# Altium PCB OneBox.PcbDoc (part 7 of 13) (continued)
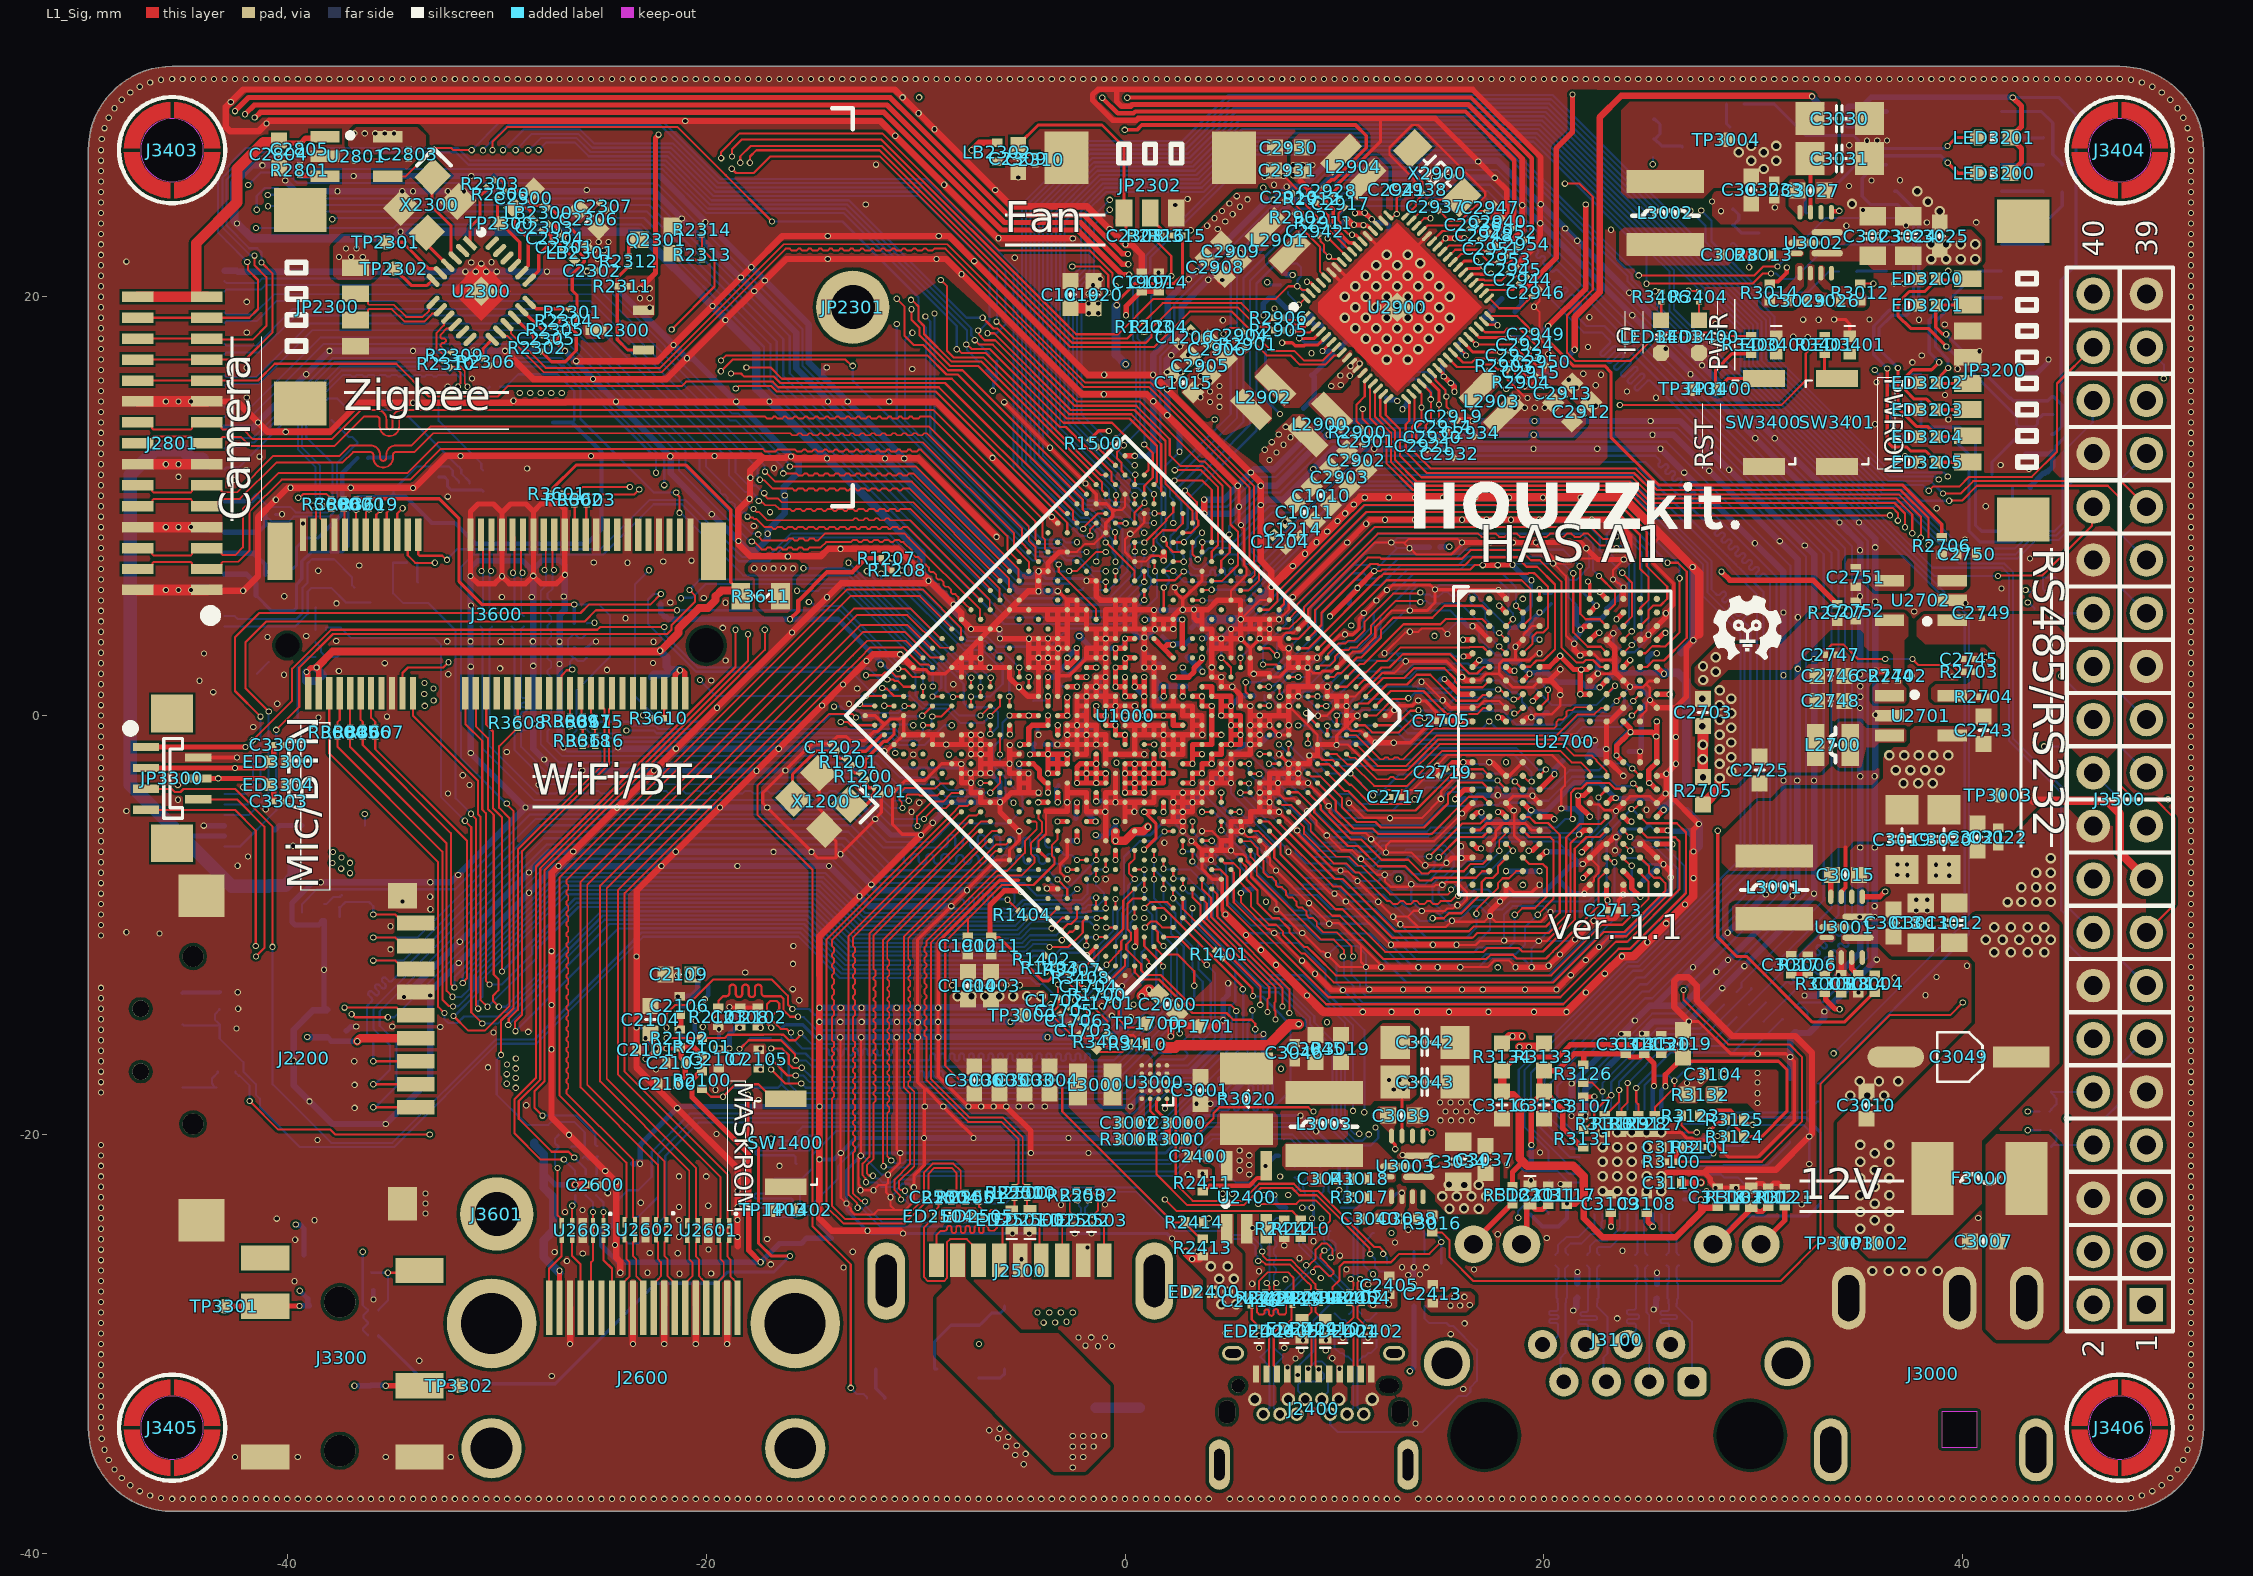
[diagram p0: L1_Sig view]
## Nets (pads, with @x,y where several pads share a name; then routed paths per layer and width w, separated by ;. In a path a pad name is that pad's centre, name@x,y a point inside that pad or via, vN(x,y) a via of type N, cw(c..) or ccw(c..) an arc to the next point about the centre after c; other vN are vias at no path point) (continued)
  other v1: -45.5,-37.4 -45,-37.4 -44.5,-37.4 -44,-37.4 -43.5,-37.4 -43,-37.4 -42.5,-37.4 -42,-37.4 -41.5,-37.4 -41,-37.4 -40.5,-37.4 -40,-37.4 -39.5,-37.4 -39,-37.4 -38.5,-37.4 -38,-37.4 -37.5,-37.4 -37,-37.4 -36.5,-37.4 -36,-37.4 -35.5,-37.4 -35,-37.4 -34.5,-37.4 -34,-37.4 -33.5,-37.4 -33,-37.4 -32.5,-37.4 -32,-37.4 -31.5,-37.4 -31,-37.4 -30.5,-37.4 -30,-37.4 -29.5,-37.4 -29,-37.4 -28.5,-37.4 -28,-37.4 -27.5,-37.4 -27,-37.4 -26.5,-37.4 -26,-37.4 -25.5,-37.4 -25,-37.4 -24.5,-37.4 -24,-37.4 -23.5,-37.4 -23,-37.4 -22.5,-37.4 -22,-37.4 -21.5,-37.4 -21,-37.4 -20.5,-37.4 -20,-37.4 -19.5,-37.4 -19,-37.4 -18.5,-37.4 -18,-37.4 -17.5,-37.4 -17,-37.4 -16.5,-37.4 -16,-37.4 -15.5,-37.4 -15,-37.4 -14.5,-37.4 -14,-37.4 -13.5,-37.4 -13,-37.4 -12.5,-37.4 -12,-37.4 -11.5,-37.4 -11,-37.4 -10.5,-37.4 -10,-37.4 -9.5,-37.4 -9,-37.4 -8.5,-37.4 -8,-37.4 -7.5,-37.4 -7,-37.4 -6.5,-37.4 -6,-37.4 -5.5,-37.4 -5,-37.4 -4.5,-37.4 -4,-37.4 -3.5,-37.4 -3,-37.4 -2.5,-37.4 -2,-37.4 -1.5,-37.4 -1,-37.4 -0.5,-37.4 0,-37.4 0.5,-37.4 1,-37.4 1.5,-37.4 2,-37.4 2.5,-37.4 3,-37.4 3.5,-37.4 4,-37.4 5,-37.4 5.5,-37.4 6,-37.4 6.5,-37.4 7,-37.4 7.5,-37.4 8,-37.4 8.5,-37.4 9,-37.4 9.5,-37.4 10,-37.4 10.5,-37.4 11,-37.4 11.5,-37.4 12,-37.4 12.5,-37.4 13,-37.4 14,-37.4 14.5,-37.4 15,-37.4 15.5,-37.4 16,-37.4 16.5,-37.4 17,-37.4 17.5,-37.4 18,-37.4 18.5,-37.4 19,-37.4 19.5,-37.4 20,-37.4 20.5,-37.4 21,-37.4 21.5,-37.4 22,-37.4 22.5,-37.4 23,-37.4 23.5,-37.4 24,-37.4 24.5,-37.4 25,-37.4 25.5,-37.4 26,-37.4 26.5,-37.4 27,-37.4 27.5,-37.4 28,-37.4 28.5,-37.4 29,-37.4 29.5,-37.4 30,-37.4 30.5,-37.4 31,-37.4 31.5,-37.4 32,-37.4 32.5,-37.4 33,-37.4 33.5,-37.4 34,-37.4 34.5,-37.4 35,-37.4 35.5,-37.4 36,-37.4 36.5,-37.4 37,-37.4 37.5,-37.4 38,-37.4 38.5,-37.4 39,-37.4 39.5,-37.4 40,-37.4 40.5,-37.4 41,-37.4 41.5,-37.4 42,-37.4 42.5,-37.4 43,-37.4 43.5,-37.4 44,-37.4 44.5,-37.4 45,-37.4 45.5,-37.4 46,-37.4 46.5,-37.4 47,-37.4 47.5,-37.4 -46.032,-37.358 48.032,-37.358 -46.551,-37.234 48.551,-37.234 -47.044,-37.029 49.044,-37.029 -47.498,-36.751 49.498,-36.751 -47.904,-36.404 49.904,-36.404 -48.251,-35.998 50.251,-35.998 -4.834,-35.747 -48.529,-35.544 50.529,-35.544 -42.5,-35.4 -39.5,-35.4 -35.3,-35.4 -32.2,-35.4 -5.24,-35.306 -4.747,-35.251 -48.734,-35.051 50.734,-35.051 -5.669,-34.9 -5.173,-34.855 -48.858,-34.532 50.858,-34.532 -6.065,-34.507 -5.58,-34.448 -6.483,-34.12 -5.987,-34.047 -48.9,-34 50.9,-34 13.873,-33.801 -48.9,-33.5 50.9,-33.5 -48.9,-33 50.9,-33 -48.9,-32.5 50.9,-32.5 16.15,-32.156 -48.9,-32 50.9,-32 -27.375,-31.534 -48.9,-31.5 50.9,-31.5 -48.9,-31 50.9,-31 -33.7,-30.8 -48.9,-30.5 50.9,-30.5 9.581,-30.316 6.4,-30.19 7.6,-30.19 -1.293,-30.109 -0.625,-30.102 -1.891,-30.083 -48.9,-30 -6.975,-30 50.9,-30 8.5,-29.825 9.6,-29.825 -2.222,-29.693 -1.616,-29.688 -0.955,-29.699 10.4,-29.7 11.6,-29.7 6.4,-29.61 7.6,-29.61 15.552,-29.534 -48.9,-29.5 4.792,-29.484 50.9,-29.5 12.575,-29.2 -48.9,-29 16.213,-29.018 50.9,-29 23.503,-28.78 -48.9,-28.5 50.9,-28.5 -48.9,-28 50.9,-28 -48.9,-27.5 50.9,-27.5 11.615,-27.159 6.067,-27.125 -48.9,-27 50.9,-27 7.664,-26.919 9.351,-26.855 14.083,-26.689 -21.271,-26.654 -19.764,-26.634 -22.8,-26.6 6.397,-26.53 -48.9,-26.5 50.9,-26.5 10.571,-26.448 16.656,-26.447 -13.441,-26.354 13.228,-26.339 14.378,-26.345 -16.917,-26.203 -26.652,-26.04 -48.9,-26 50.9,-26 -4.946,-25.962 8.327,-25.911 10.264,-25.786 -25.897,-25.688 -21.357,-25.673 -22.693,-25.655 -27.238,-25.611 -13,-25.6 23.757,-25.548 -48.9,-25.5 -19.893,-25.493 50.9,-25.5 -1.8,-25.4 -24.35,-25.281 12.885,-25.162 8.997,-25.101 -48.9,-25 -17.086,-24.995 50.9,-25 20.138,-24.945 -21.3,-24.9 17.794,-24.763 13.518,-24.551 -48.9,-24.5 50.9,-24.5 6.08,-24.465 -21.304,-24.082 -48.9,-24 4,-24.005 9.382,-24.011 13.097,-23.999 50.9,-24 40.734,-23.988 -8.528,-23.79 -7.426,-23.796 -33.398,-23.778 -7.958,-23.778 -26.746,-23.699 -25.906,-23.606 -48.9,-23.5 50.9,-23.5 -21.301,-23.459 -19.9,-23.4 -3.061,-23.357 -0.958,-23.346 32.306,-23.34 -33.4,-23.3 -23.127,-23.261 -48.9,-23 50.9,-23 7.795,-22.886 4.666,-22.832 5.121,-22.827 -33.401,-22.816 -24.7,-22.8 -48.9,-22.5 50.9,-22.5 20.794,-22.365 19.386,-22.185 -48.9,-22 -21.3,-22 -20,-22 7.405,-22.008 50.9,-22 3,-21.9 3.7,-21.875 -24.818,-21.743 -48.9,-21.5 -16.5,-21.5 50.9,-21.5 18.233,-21.448 -48.9,-21 50.9,-21 13.254,-20.983 19.813,-20.858 -48.9,-20.5 50.9,-20.5 -38.564,-20.265 -19.512,-19.982 50.9,-20 50.9,-19.5 15.062,-19.327 15.562,-19.327 16.062,-19.327 16.562,-19.327 50.9,-19 15.3,-18.9 15.8,-18.9 16.3,-18.9 16.8,-18.9 -36.785,-18.729 -6.274,-18.665 -5.077,-18.661 -4.478,-18.659 0.261,-18.665 -28.594,-18.607 50.9,-18.5 15.038,-18.473 15.538,-18.473 16.038,-18.473 16.538,-18.473 -17.502,-18.353 -48.9,-18 50.9,-18 -19.554,-17.861 -36.785,-17.632 14.63,-17.569 -48.9,-17.5 50.9,-17.5 28.587,-17.117 -48.9,-17 50.9,-17 -22.4,-16.9 -30.418,-16.795 -48.9,-16.5 -36.804,-16.506 50.9,-16.5 -48.9,-16 50.9,-16 -27.385,-15.928 -17.4,-15.9 -48.9,-15.5 50.9,-15.5 -30.159,-15.134 -28.5,-15.1 -48.9,-15 50.9,-15 -34.986,-14.847 -32.698,-14.865 -9.895,-14.639 -48.9,-14.5 -19.515,-14.515 50.9,-14.5 -20.332,-14.048 -48.9,-14 -42.35,-14 50.9,-14 -15.56,-13.592 50.9,-13.5 -48.9,-13.5 38.217,-13.354 -42.369,-13.207 35.017,-13.219 -15.864,-13.061 -48.9,-13 50.9,-13 -8.254,-12.875 -7.603,-12.869 -6.969,-12.868 -6.336,-12.868 -5.017,-12.879 -5.676,-12.862 36.753,-12.516 50.9,-12.5 38.743,-12.48 -21.393,-12.402 34.061,-12.397 -18.134,-12.266 28.233,-12.23 50.9,-12 40.197,-11.945 -15.854,-11.854 35.891,-11.651 50.9,-11.5 -35.071,-11.162 -15.839,-10.999 50.9,-11 -48.9,-10.5 50.9,-10.5 28.771,-10.369 -35.077,-10.055 -48.9,-10 50.9,-10 1.842,-9.654 35.81,-9.614 -48.9,-9.5 50.9,-9.5 37.777,-9.31 38.3,-9.302 -33.169,-9.249 35.791,-9.096 -48.9,-9 50.9,-9 8.779,-8.954 -34.497,-8.876 37.782,-8.796 38.3,-8.792 -33.182,-8.648 -48.9,-8.5 32.9,-8.5 50.9,-8.5 -48.9,-8 50.9,-8 -33.176,-7.956 -0.919,-7.814 39.354,-7.647 36.867,-7.613 37.36,-7.625 38.721,-7.632 -31.841,-7.606 -48.9,-7.5 50.9,-7.5 -18.511,-7.179 -42.373,-7.165 36.877,-7.115 37.337,-7.105 38.715,-7.117 39.341,-7.114 -48.9,-7 50.9,-7 -41.879,-6.724 -48.9,-6.5 50.9,-6.5 35.1,-6.3 35.8,-6.3 -39.733,-6.216 16.043,-6.235 1.877,-6.068 -48.9,-6 50.9,-6 -48.9,-5.5 50.9,-5.5 -48.9,-5 50.9,-5 -10.2,-4.588 -0.942,-4.592 -48.9,-4.5 24.903,-4.495 50.9,-4.5 -41.032,-4.471 -9.827,-4.162 -45.217,-4.017 -48.9,-4 50.9,-4 -32.326,-3.723 -48.9,-3.5 50.9,-3.5 -42.106,-3.42 -45.235,-3.317 -31.301,-3.311 -27.992,-3.297 32.9,-3.1 -48.9,-3 50.9,-3 23.792,-2.876 -31.627,-2.851 -6.896,-2.76 -48.9,-2.5 50.9,-2.5 -48.9,-2 50.9,-2 -10.117,-1.852 -29.522,-1.736 -48.9,-1.5 50.9,-1.5 -8.536,-1.375 -48.9,-1 50.9,-1 3.683,-0.915 -41.627,-0.539 -48.9,-0.5 50.9,-0.5 -28.229,-0.383 -38.506,-0.089 -35.243,-0.049 -48.9,0 50.9,0 -48.9,0.5 50.9,0.5 -40.484,0.568 -13.185,0.562 35.1,0.9 -48.9,1 50.9,1 -12.789,1.294 -48.9,1.5 -8.204,1.5 50.9,1.5 -19.762,1.679 39.496,1.868 37.561,1.905 -40.154,1.955 -32.316,1.971 -48.9,2 50.9,2 -37.539,2.13 -24.735,2.184 -29.838,2.257 4.144,2.302 -27.003,2.46 -48.9,2.5 50.9,2.5 -35.35,2.507 -22.539,2.514 -19.071,2.635 41.095,2.789 -43.975,2.964 -48.9,3 50.9,3 -48.9,3.5 50.9,3.5 -29.805,3.526 -27.005,3.531 -22.511,3.529 -37.663,3.564 -32.365,3.544 -28.275,3.544 -39.1,3.8 -48.9,4 50.9,4 -19.209,4.189 -48.9,4.5 50.9,4.5 -23.848,4.646 37.685,4.966 -48.9,5 50.9,5 -31.235,5.257 40.123,5.369 -19.076,5.386 -21.713,5.401 -48.9,5.5 50.9,5.5 -20.119,5.612 -14.23,5.65 -29.757,5.66 -28.33,5.668 -40.15,5.7 -26.799,5.684 -48.9,6 -45.8,6 -45.2,6 -44.6,6 50.9,6 41.847,6.073 -48.9,6.5 50.9,6.5 -48.9,7 50.9,7 -23.754,7.297 -25.366,7.312 -22.046,7.363 -20.7,7.4 -48.9,7.5 50.9,7.5 43.206,7.506 -13.59,7.962 -48.9,8 50.9,8 40.105,8.405 -48.9,8.5 50.9,8.5 9.658,8.786 -48.9,9 -45.8,9 -45.2,9 -44.6,9 50.9,9 -17.729,9.054 -39.248,9.17 -48.9,9.5 50.9,9.5 -16.957,9.715 38.758,9.902 -48.9,10 41.1,10 50.9,10 11.445,10.416 -48.9,10.5 50.9,10.5 -33.997,10.869 -48.9,11 50.9,11 -42.539,11.248 -45.2,11.4 -48.9,11.5 50.9,11.5 27.895,11.694 -41.966,11.731 43.16,11.786 -28.55,11.8 -16.762,11.806 37.969,11.949 41.808,11.968 -48.9,12 -45.8,12 -45.2,12 50.9,12 -48.9,12.5 50.9,12.5 -48.9,13 50.9,13 36.784,13.188 -48.9,13.5 50.9,13.5 35.808,13.916 -48.9,14 50.9,14 4.28,14.134 39.311,14.139 34.509,14.211 -48.9,14.5 50.9,14.5 22.474,14.795 -48.9,15 -45.8,15 -45.2,15 -44.6,15 50.9,15 22.099,15.157 -41.939,15.193 25.349,15.18 39.148,15.306 23.966,15.476 -48.9,15.5 50.9,15.5 21.551,15.672 22.471,15.778 35.878,15.923 -48.9,16 50.9,16 2.341,16.025 21.182,16.032 -31.187,16.1 22.73,16.272 27,16.3 21.881,16.32 2.649,16.397 -48.9,16.5 50.9,16.5 -10.16,16.548 39.755,16.565 37.593,16.867 -48.9,17 50.9,17 38.044,17.197 3.002,17.228 40.8,17.4 -48.9,17.5 50.9,17.5 22.1,17.6 -48.9,18 50.9,18 32.595,18.069 31.904,18.09 -48.9,18.5 50.9,18.5 39.142,18.679 28.2,18.7 4.669,18.882 32.376,18.906 33.116,18.899 37.913,18.9 35.543,18.913 -48.9,19 50.9,19 22.171,19.021 -48.9,19.5 50.9,19.5 -48.9,20 50.9,20 -1.735,20.146 -1.269,20.158 -48.9,20.5 50.9,20.5 -1.537,20.553 36.715,20.63 37.202,20.636 -1.181,20.843 -48.9,21 50.9,21 39.307,21.235 -48.9,21.5 50.9,21.5 -30.743,21.582 -31.22,21.635 -30.255,21.647 -5.263,21.864 -48.9,22 50.9,22 -48.9,22.5 50.9,22.5 -14.199,22.902 -48.9,23 50.9,23 23.2,23.2 34.441,23.386 37.29,23.404 -48.9,23.5 50.9,23.5 38.284,23.545 40.643,23.551 -48.9,24 50.9,24 28.45,24.087 35.237,24.137 31.026,24.263 2.4,24.383 -12.381,24.404 -48.9,24.5 50.9,24.5 28.028,24.549 2.987,24.67 -48.9,25 50.9,25 -37.609,25.038 34.568,25.283 7.109,25.345 -48.9,25.5 50.9,25.5 35.643,25.552 37.001,25.565 -5.1,25.7 15.415,25.708 6.656,25.732 7.113,25.803 -48.9,26 50.9,26 -11.896,26.309 -48.9,26.5 -36.8,26.5 50.9,26.5 34.763,26.667 -48.9,27 50.9,27 34.575,27.237 35.43,27.45 35.913,27.456 36.385,27.461 -48.858,27.532 50.858,27.532 -48.734,28.051 50.734,28.051 -48.529,28.544 50.529,28.544 -48.251,28.998 50.251,28.998 -47.904,29.404 49.904,29.404 -47.498,29.751 49.498,29.751 -47.044,30.029 49.044,30.029 -46.551,30.234 48.551,30.234 -46.032,30.358 48.032,30.358 -45.5,30.4 -45,30.4 -44.5,30.4 -44,30.4 -43.5,30.4 -43,30.4 -42.5,30.4 -42,30.4 -41.5,30.4 -41,30.4 -40.5,30.4 -40,30.4 -39.5,30.4 -39,30.4 -38.5,30.4 -38,30.4 -37.5,30.4 -37,30.4 -36.5,30.4 -36,30.4 -35.5,30.4 -35,30.4 -34.5,30.4 -34,30.4 -33.5,30.4 -33,30.4 -32.5,30.4 -32,30.4 -31.5,30.4 -31,30.4 -30.5,30.4 -30,30.4 -29.5,30.4 -29,30.4 -28.5,30.4 -28,30.4 -27.5,30.4 -27,30.4 -26.5,30.4 -26,30.4 -25.5,30.4 -25,30.4 -24.5,30.4 -24,30.4 -23.5,30.4 -23,30.4 -22.5,30.4 -22,30.4 -21.5,30.4 -21,30.4 -20.5,30.4 -20,30.4 -19.5,30.4 -19,30.4 -18.5,30.4 -18,30.4 -17.5,30.4 -17,30.4 -16.5,30.4 -16,30.4 -15.5,30.4 -15,30.4 -14.5,30.4 -14,30.4 -13.5,30.4 -13,30.4 -12.5,30.4 -12,30.4 -11.5,30.4 -11,30.4 -10.5,30.4 -10,30.4 -9.5,30.4 -9,30.4 -8.5,30.4 -8,30.4 -7.5,30.4 -7,30.4 -6.5,30.4 -6,30.4 -5.5,30.4 -5,30.4 -4.5,30.4 -4,30.4 -3.5,30.4 -3,30.4 -2.5,30.4 -2,30.4 -1.5,30.4 -1,30.4 0,30.4 0.5,30.4 1.5,30.4 2,30.4 2.5,30.4 3,30.4 3.5,30.4 4,30.4 4.5,30.4 5,30.4 5.5,30.4 6,30.4 6.5,30.4 7,30.4 7.5,30.4 8,30.4 8.5,30.4 9,30.4 9.5,30.4 10,30.4 10.5,30.4 11,30.4 11.5,30.4 12,30.4 12.5,30.4 13,30.4 13.5,30.4 14,30.4 14.5,30.4 15,30.4 15.5,30.4 16,30.4 16.5,30.4 17,30.4 17.5,30.4 18,30.4 18.5,30.4 19,30.4 19.5,30.4 20,30.4 20.5,30.4 21,30.4 21.5,30.4 22,30.4 22.5,30.4 23,30.4 23.5,30.4 24,30.4 24.5,30.4 25,30.4 25.5,30.4 26,30.4 26.5,30.4 27,30.4 27.5,30.4 28,30.4 28.5,30.4 29,30.4 29.5,30.4 30,30.4 30.5,30.4 31,30.4 31.5,30.4 32,30.4 32.5,30.4 33,30.4 33.5,30.4 34,30.4 34.5,30.4 35,30.4 35.5,30.4 36,30.4 36.5,30.4 37,30.4 37.5,30.4 38,30.4 38.5,30.4 39,30.4 39.5,30.4 40,30.4 40.5,30.4 41,30.4 41.5,30.4 42,30.4 42.5,30.4 43,30.4 43.5,30.4 44,30.4 44.5,30.4 45,30.4 45.5,30.4 46,30.4 46.5,30.4 47,30.4 47.5,30.4
  other v2: 35.684,-26.519 36.463,-26.519 37.242,-26.519 38.021,-26.519 38.8,-26.519 22.8,-22.7 23.5,-22.7 24.2,-22.7 24.9,-22.7 25.6,-22.7 22.8,-22 23.5,-22 24.2,-22 24.9,-22 22.8,-21.3 23.5,-21.3 24.2,-21.3 24.9,-21.3 25.6,-21.3 22.8,-20.6 23.5,-20.6 24.2,-20.6 24.9,-20.6 25.6,-20.6 22.8,-19.9 23.5,-19.9 24.2,-19.9 24.9,-19.9 34.632,-18.142 35.436,-18.142 36.24,-18.142 35.081,-17.454 35.999,-17.454 36.917,-17.454 42.139,-8.905 42.8,-8.9 43.5,-8.9 44.2,-8.9 42.8,-8.2 43.5,-8.2 44.2,-8.2 43.5,-7.5 44.2,-7.5 44.2,-6.8 12.5,17 13.5,17 12,17.5 13,17.5 14,17.5 11.5,18 12.5,18 13.5,18 14.5,18 11,18.5 12,18.5 13,18.5 14,18.5 15,18.5 10.5,19 11.5,19 12.5,19 13.5,19 14.5,19 15.5,19 11,19.5 12,19.5 13,19.5 14,19.5 15,19.5 10.5,20 11.5,20 12.5,20 13.5,20 14.5,20 15.5,20 11,20.5 12,20.5 13,20.5 14,20.5 15,20.5 11.5,21 12.5,21 13.5,21 14.5,21 12,21.5 13,21.5 14.1,21.6 12.5,22 13.5,22 38.898,24.082 34.71,24.431 38.334,24.537 37.83,25.039
GPIO0_C4: J3500.12 U1000.AD21 | length 116.6
  L1_Sig w0.102: U1000.AD21@-7.354,1.379 -7.351,1.382 -7.351,1.809 v1(-7.347,1.812)
  L4_Sig w0.102: v1(-13.2,7.3) -12.306,8.194 -12.306,15.526 -8.77,19.063 -8.77,19.243 -2.038,25.974 0.973,25.974 3.443,28.444 17.768,28.444 18.624,27.588 25.562,27.588 29.233,23.916 31.621,23.916 34.337,21.2 37.487,21.2 37.984,20.703 39.608,20.703 44.287,16.024 44.287,1.827 44.814,1.3 44.814,-14.014 46.181,-15.381 J3500.12@46.23,-15.43
  L6_Sig w0.102: v1(-13.2,7.3) -12.659,6.759 -12.332,6.432 -8,2.1 -7.653,2.1 -7.365,1.812 v1(-7.347,1.812)
GPIO0_C7: J3500.32 U1000.AE3 | length 77.3
  L1_Sig w0.102: U1000.AE3@0.46,10.112 v1@0.459,10.528 ; v1(41.683,6.666) 41.698,6.682 43.782,6.682 46.177,9.077 46.177,9.917 J3500.32@46.23,9.97
  L6_Sig w0.102: v1(0.459,10.528) 0.416,10.528 -2.897,13.841 -2.897,20.879 -2.89,20.886 -2.89,23.584 -1.068,25.406 3.582,25.406 5.779,27.603 19.584,27.603 25.103,22.084 26,21.187 26,19.309 26.622,18.686 26.625,18.686 38.645,6.666 v1(41.683,6.666)
GPIO1_A0: J3500.3 JP3300.6 U1000.D18 | length 150
  L1_Sig w0.102: JP3300.6@-44.25,-4 -42.4,-4 -41.098,-5.302 -41.098,-11.098 v1(-41.5,-11.5) ; v1(3.214,-6.963) 3.216,-6.961 3.216,-6.436 U1000.D18@3.217,-6.435
  L4_Sig w0.102: v1(-41.5,-11.5) -41.5,-14.1 -38.1,-17.5 -38.1,-25.179 -31.079,-32.2 -14.213,-32.2 -12.813,-30.8 2.8,-30.8 4.697,-28.903 5.546,-28.903 6.779,-27.67 10.27,-27.67 11.402,-28.802 13.198,-28.802 14.6,-27.4 15.9,-27.4 ; v1(10.879,-18.872) 9.103,-20.648 9.103,-22.936 10.176,-24.01 12.51,-24.01 15.9,-27.4 ; J3500.3@48.77,-25.59 47.58,-24.4 45.4,-24.4 43.9,-25.9 34.1,-25.9 32.1,-27.9 17.213,-27.9 16.713,-27.4 15.9,-27.4
  L6_Sig w0.102: v1(3.214,-6.963) 3.214,-6.991 4.205,-7.982 4.205,-9.667 4.318,-9.78 4.318,-9.807 6.91,-12.398 8.498,-12.398 10.879,-14.779 v1(10.879,-18.872)
GPIO1_A1: J3500.5 JP3300.7 U1000.E18 | length 165.1
  L1_Sig w0.102: JP3300.7@-46.75,-4.5 -42.5,-4.5 -41.505,-5.495 v1(-41.505,-11) ; v1(2.753,-6.491) 2.755,-6.488 2.755,-5.978 U1000.E18@2.758,-5.975
  L4_Sig w0.102: v1(-41.505,-11) -41.1,-11.405 -41.1,-14.2 -37.897,-17.403 -37.897,-25.095 -30.995,-31.997 -14.297,-31.997 -12.897,-30.597 2.7,-30.597 4.597,-28.7 5.462,-28.7 6.695,-27.466 10.354,-27.466 11.487,-28.599 13.113,-28.599 13.5,-28.213 13.5,-27.8 12.898,-27.198 12.898,-25.698 12.289,-25.089 10.969,-25.089 8.9,-23.021 8.9,-20.55 10.407,-19.044 10.407,-18.707 10.571,-18.542 11.246,-18.542 11.42,-18.716 11.42,-18.969 11.355,-18.969 11.122,-19.203 10.836,-19.203 9.306,-20.732 9.306,-22.822 10.285,-23.8 12.055,-23.8 12.321,-23.534 13.099,-23.534 13.887,-24.322 13.887,-25.1 15.984,-27.197 16.797,-27.197 17.297,-27.697 32.016,-27.697 34.016,-25.697 43.703,-25.697 45.3,-24.1 47.72,-24.1 J3500.5@48.77,-23.05
  L6_Sig w0.102: v1(2.753,-6.491) 3.21,-6.491 4.408,-7.689 4.408,-9.582 4.7,-9.874 5.675,-10.849 6.623,-10.849 6.626,-10.852 8.252,-10.852 9.573,-12.173 9.573,-13.173 11.424,-15.024 v1(11.424,-18.936)
GPIO2_D3: J3500.31 U1000.AC7 | length 83.7
  L1_Sig w0.102: U1000.AC7@-0.46,7.354 v1(-0.456,7.35) ; v1(39.052,10.605) 39.905,10.605 40.497,11.197 43.384,11.197 43.387,11.2 47.54,11.2 J3500.31@48.77,9.97
  L6_Sig w0.102: v1(-0.456,7.35) -0.456,7.656 -0.589,7.789 -0.589,8.395 -0.597,8.403 -0.9,8.706 -0.9,8.875 -1.675,9.65 -2.024,9.65 -4.522,12.148 -4.522,24.251 -1.742,27.032 2.909,27.032 5.105,29.229 20.258,29.229 30.597,18.89 30.597,17.033 36.424,11.206 38.451,11.206 v1(39.052,10.605)
GPIO2_D4: J3500.11 U1000.AA7 | length 120.3
  L1_Sig w0.102: v1(-0.927,8.266) -0.904,8.266 -0.126,7.487 0.46,6.902 U1000.AA7@0.46,6.435
  L4_Sig w0.102: v1(38.854,11.27) 42.19,7.933 42.19,5.422 43.197,4.416 43.197,-6.054 39.086,-10.165 39.086,-16.886 42.4,-20.2 44.001,-20.2 v1(44.963,-19.238)
  L6_Sig w0.102: v1(-0.927,8.266) -0.949,8.288 -0.949,8.468 -1.103,8.622 -1.103,8.791 -1.759,9.447 -2.108,9.447 -4.726,12.064 -4.726,24.335 -1.826,27.235 2.825,27.235 5.021,29.432 20.342,29.432 30.18,19.594 30.8,18.974 30.8,17.117 35.2,12.717 36.508,11.409 38.695,11.409 38.834,11.27 v1(38.854,11.27) ; v1(44.963,-19.238) 46.762,-19.238 47.528,-18.472 47.528,-16.672 J3500.11@48.77,-15.43
GPIO2_D5: J3500.29 U1000.AC3 | length 82
  L1_Sig w0.102: v1(1.379,9.192) 1.398,9.192 U1000.AC3@1.4,9.19
  L6_Sig w0.102: v1(1.379,9.192) 0.973,9.192 -0.026,10.192 -0.565,10.192 -0.759,10.385 -0.759,10.808 -3.506,13.555 -3.506,23.83 -1.321,26.016 3.33,26.016 5.526,28.213 19.837,28.213 29.581,18.469 29.581,16.612 36.003,10.19 37.198,10.19 39.891,7.497 42.605,7.497 43.502,8.394 44.594,8.394 44.9,8.7 47.5,8.7 J3500.29@48.77,7.43
GPIO2_D6: J3500.38 U1000.AD6 | length 83.8
  L1_Sig w0.102: v1(-0.482,8.755) -0.471,8.744 -0.471,8.284 U1000.AD6@-0.46,8.273 ; v1(38.372,10.736) 38.571,10.935 39.835,10.935 40.3,11.4 43.3,11.4 44.5,12.6 44.5,15.86 J3500.38@46.23,17.59
  L6_Sig w0.102: v1(-0.482,8.755) -0.492,8.755 -1.591,9.854 -1.94,9.854 -4.319,12.233 -4.319,24.167 -1.658,26.829 2.993,26.829 5.19,29.025 20.174,29.025 30.394,18.805 30.394,16.948 36.34,11.003 38.106,11.003 v1(38.372,10.736) ; J3500.38@46.12,17.7 J3500.38@46.23,17.59
GPIO2_D7: J3500.35 U1000.AH5 | length 90.8
  L1_Sig w0.102: v1(-10.9,19.9) -10.526,19.526 -10.526,19.263 -10.524,19.262 -10.524,18.124 -10.1,17.7 -9.648,17.7 -8.44,16.492 -7.759,16.492 -6.647,15.38 -6.647,15.378 -5.908,14.638 -5.905,14.638 U1000.AH5@-1.838,10.571
  L4_Sig w0.102: v1(-10.9,19.9) -10.9,22.621 -5.921,27.6 0.3,27.6 2.769,30.069 18.441,30.069 19.297,29.214 42.086,29.214 42.568,28.732 49.9,21.4 49.9,17.1 48.802,16.002 48.802,15.082 J3500.35@48.77,15.05
GPIO3_A0: J3500.40 U1000.AH4 | length 81.5
  L1_Sig w0.102: v1(-10.195,19.4) -10.195,18.895 -9.81,18.509 -9.81,18.149 -8.358,16.697 -7.021,16.697 -1.379,11.055 U1000.AH4@-1.379,11.031
  L4_Sig w0.102: v1(-10.195,19.4) -10.173,19.4 -9.803,19.77 -9.803,22.856 -5.669,26.99 0.553,26.99 3.022,29.46 18.189,29.46 19.044,28.604 41.834,28.604 42.138,28.3 46.23,24.208 J3500.40@46.23,20.13
GPIO3_A1: J3500.15 U1000.AB8 | length 105.6
  L1_Sig w0.102: U1000.AB8@-0.46,6.435 -0.457,6.438 -0.457,6.895 v1(-0.454,6.898) ; v1(39.347,10.262) 39.36,10.274 39.974,10.274 40.673,10.973 46.927,10.973 47.495,10.405 47.495,-3.295 48.2,-4 49.2,-4 50.1,-4.9 50.1,-7 50.1,-9.02 J3500.15@48.77,-10.35
  L6_Sig w0.102: v1(-0.454,6.898) -0.441,6.898 -0.126,7.214 -0.126,8.866 -1.317,10.057 -1.856,10.057 -4.116,12.317 -4.116,24.083 -1.573,26.626 3.077,26.626 5.274,28.822 20.089,28.822 30.19,18.721 30.19,16.864 36.255,10.799 37.45,10.799 37.987,10.262 v1(39.347,10.262)
GPIO3_A2: J3500.36 U1000.AE5 | length 84.6
  L1_Sig w0.102: U1000.AE5@-0.46,9.192 -0.453,9.186 0.021,9.186 v1(0.028,9.18)
  L6_Sig w0.102: v1(0.028,9.18) 0.028,9.227 -0.219,9.474 -0.447,9.474 -1.232,10.26 -1.772,10.26 -3.913,12.401 -3.913,23.999 -1.489,26.422 3.161,26.422 5.358,28.619 20.005,28.619 29.987,18.637 29.987,16.78 36.171,10.596 37.366,10.596 39.991,7.971 42.488,7.971 42.716,8.2 42.734,8.2 43.334,8.8 44.382,8.8 44.755,9.174 44.755,12.555 46.208,14.008 46.208,15.028 J3500.36@46.23,15.05
GPIO3_A3: J3500.18 U1000.AG4 | length 111.7
  L1_Sig w0.102: v1(-10.219,19.852) -10.182,19.852 -10.06,19.73 -10.058,19.73 -9.864,19.536 -9.864,18.872 -9.597,18.605 -9.597,18.224 -8.274,16.9 -6.856,16.9 -1.101,11.146 -1.101,10.753 U1000.AG4@-0.919,10.571
  L4_Sig w0.102: v1(-10.219,19.852) -10.242,19.875 -10.242,22.704 -5.753,27.194 0.468,27.194 2.938,29.663 18.273,29.663 19.129,28.807 41.918,28.807 42.226,28.5 47.497,23.228 47.497,-6.543 J3500.18@46.23,-7.81
GPIO3_A4: J3500.16 U1000.AF4 | length 91.3
  L1_Sig w0.102: U1000.AF4@-0.46,10.112 -0.444,10.127 -0.444,10.506 v1(-0.429,10.522)
  L4_Sig w0.102: J3500.16@45.958,-10.078 J3500.16@46.23,-10.35
  L6_Sig w0.102: v1(-0.429,10.522) -0.429,10.765 -3.303,13.639 -3.303,21.048 -3.297,21.054 -3.297,23.753 -1.237,25.813 3.414,25.813 5.61,28.009 19.753,28.009 29.378,18.385 29.378,16.528 35.919,9.987 37.113,9.987 39.838,7.262 41.978,7.262 42.403,6.837 42.403,-1.103 44.903,-3.603 44.903,-9.023 J3500.16@46.23,-10.35
GPIO3_A5: J3500.7 U1000.AH3 | length 119.9
  L1_Sig w0.102: v1(-8.8,20.8) -8.497,20.497 -8.497,17.411 -8.189,17.103 -6.772,17.103 -1.159,11.491 U1000.AH3@-0.919,11.491
  L4_Sig w0.102: v1(-8.8,20.8) -3.219,26.381 0.805,26.381 3.274,28.85 17.936,28.85 18.792,27.994 41.581,27.994 44.694,24.882 44.694,2.606 45.018,2.282 45.018,-13.518 45.7,-14.2 47,-14.2 47.6,-14.8 47.6,-19.34 J3500.7@48.77,-20.51
GPIO3_C3: J3500.33 U1000.AC4 | length 84.4
  L4_Sig w0.102: J3500.33@48.71,12.51 J3500.33@48.77,12.51
  L6_Sig w0.102: v1(0.919,8.733) 0.919,8.755 -0.314,9.988 -0.65,9.988 -0.962,10.301 -0.962,10.637 -3.71,13.384 -3.71,23.915 -1.405,26.219 3.246,26.219 5.442,28.416 19.921,28.416 29.784,18.553 29.784,16.696 36.087,10.393 37.282,10.393 39.975,7.7 42.521,7.7 43.418,8.597 44.466,8.597 44.966,9.097 44.966,10.866 45.33,11.23 47.49,11.23 J3500.33@48.77,12.51
GPIO3_C5: J3500.13 U1000.AC2 | length 96.9
  L1_Sig w0.102: v1@1.409,9.655 U1000.AC2@1.83,9.655 ; U1000.AC2@1.836,9.649 U1000.AC2@1.838,9.652
  L6_Sig w0.102: v1(1.403,9.661) 0.962,9.661 0.789,9.834 0.596,10.028 0.44,10.184 0.307,10.184 0.114,10.377 0.114,10.51 -3.1,13.724 -3.1,20.963 -3.094,20.97 -3.094,23.669 -1.153,25.61 3.498,25.61 5.695,27.806 19.669,27.806 26.2,21.275 26.203,21.272 26.203,19.415 38.559,7.059 41.894,7.059 42.2,6.753 42.2,-1.187 44.7,-3.687 44.7,-9.3 45,-9.6 45,-10.9 45.7,-11.6 47.48,-11.6 J3500.13@48.77,-12.89
GPIO4_C2: J3500.23 U1000.AF8 | length 101.7
  L4_Sig w0.102: v1(-9.1,19.2) -2.122,26.178 0.889,26.178 3.358,28.647 17.852,28.647 18.708,27.791 41.497,27.791 44.49,24.798 44.49,2.125 44.687,1.928 v1(44.687,1.894)
  L6_Sig w0.102: v1(-9.1,19.2) -9.1,13.522 -3.983,8.406 -2.958,8.406 -2.825,8.273 v1(-2.298,8.273) ; v1(44.687,1.894) 44.706,1.894 45.52,1.08 47.5,1.08 J3500.23@48.77,-0.19
GPIO4_C3: J3500.19 U1000.AA11 | length 115.9
  L1_Sig w0.102: v1(-3.164,7.216) -3.164,6.864 -1.379,5.079 U1000.AA11@-1.379,4.596
  L4_Sig w0.102: v1(-10.9,18.7) -10.9,19.433 -10.57,19.763 -10.57,22.664 -5.837,27.397 0.384,27.397 2.853,29.866 18.357,29.866 19.213,29.01 42.002,29.01 42.413,28.6 47.7,23.313 47.7,-4.2 J3500.19@48.77,-5.27
  L6_Sig w0.102: v1(-10.9,18.7) -10.9,14.187 -4.316,7.603 -3.552,7.603 v1(-3.164,7.216) ; J3500.19@48.77,-5.27 J3500.19@49.13,-5.27
GPIO4_C4: J3500.26 U1000.AB9 | length 104.5
  L1_Sig w0.102: v1(-0.925,6.385) -0.922,6.382 -0.922,5.978 U1000.AB9@-0.919,5.975
  L4_Sig w0.102: v1(-10.156,18.282) -10.156,18.904 -9.81,19.249 -9.81,19.403 -9.6,19.614 -9.6,22.772 -5.584,26.787 0.637,26.787 3.106,29.256 18.105,29.256 18.96,28.401 41.75,28.401 42.051,28.1 45.1,25.051 45.1,3.48 J3500.26@46.23,2.35
  L6_Sig w0.102: v1(-10.156,18.282) -10.5,17.937 -10.5,14.075 -4.232,7.806 -3.467,7.806 -3.466,7.805 -3.205,7.805 -2.816,7.416 -2.316,7.416 -1.285,6.385 v1(-0.925,6.385)
GPIO4_C5: J3500.21 U1000.AD8 | length 94
  L4_Sig w0.102: v1(39.281,11.419) 39.281,11.13 42.394,8.017 42.394,5.506 43.4,4.5 43.4,1.5 43.874,1.026 v1(43.874,-1.469)
  L6_Sig w0.102: v1(-1.379,7.354) -1.341,7.392 -1.341,7.492 -1.32,7.513 -1.32,8.721 -1.843,9.244 -2.222,9.244 -4.929,11.951 -4.929,24.42 -1.91,27.438 2.741,27.438 4.937,29.635 20.426,29.635 31.003,19.058 31.003,17.201 36.592,11.612 39.088,11.612 v1(39.281,11.419) ; v1(43.874,-1.469) 47.509,-1.469 J3500.21@48.77,-2.73
GPIO4_C6: J3500.24 U1000.AE8 | length 102.4
  L4_Sig w0.102: v1(-9.534,19.055) -9.534,19.307 -9.3,19.54 -9.3,20.8 -3.516,26.584 0.721,26.584 3.19,29.053 18.02,29.053 18.876,28.198 41.666,28.198 42.063,27.8 44.897,24.966 44.897,2.703 45.227,2.373 45.227,0.813 J3500.24@46.23,-0.19
  L6_Sig w0.102: v1(-9.534,19.055) -9.303,18.825 -9.303,13.438 -4.068,8.203 -3.042,8.203 -2.652,7.813 v1(-1.838,7.814) v1(-1.838,7.814)
HDMI_PORT_TX0_N: J2600.9 U1000.AH20 U2602.2 U2602.9 | length 45.5
  L1_Sig w0.091: J2600.9@-22.5,-28.265 -22.5,-27.115 -22.297,-26.912 -22.297,-26.904 -22.16,-26.767 -22.16,-26.094 -22.31,-25.944 -22.31,-25.14 -22.4,-25.05 U2602.9@-22.4,-24.9 -22.4,-24.75 -22.31,-24.66 -22.31,-24.44 -22.4,-24.35 U2602.2@-22.4,-24.2 -22.4,-24.05 -22.31,-23.96 -22.31,-21.443 -26,-17.753 -26,-7.941 -12.939,5.12 -10.257,5.12 -8.845,3.707 -8.763,3.707 U1000.AH20@-8.733,3.677
HDMI_PORT_TX0_P: J2600.7 U1000.AG20 U2602.1 U2602.10 | length 45.5
  L1_Sig w0.091: J2600.7@-21.5,-28.265 -21.5,-27.115 -21.703,-26.912 -21.703,-26.904 -21.84,-26.767 -21.84,-25.961 -21.99,-25.811 -21.99,-25.14 -21.9,-25.05 U2602.10@-21.9,-24.9 -21.9,-24.75 -21.99,-24.66 -21.99,-24.44 -21.9,-24.35 U2602.1@-21.9,-24.2 -21.9,-24.05 -21.99,-23.96 -21.99,-21.31 -25.68,-17.62 -25.68,-8.074 -12.806,4.8 -10.39,4.8 -8.832,3.242 -8.298,3.242 U1000.AG20@-8.273,3.217
HDMI_PORT_TX1_N: J2600.6 U1000.AH21 U2601.5 U2601.6 | length 43.8
  L1_Sig w0.091: J2600.6@-21,-28.265 -21,-27.115 -20.797,-26.912 -20.797,-26.904 -20.66,-26.767 -20.66,-26.109 -20.81,-25.959 -20.81,-25.17 -20.9,-25.08 U2601.6@-20.9,-24.93 -20.9,-24.78 -20.81,-24.69 -20.81,-24.47 -20.9,-24.38 U2601.5@-20.9,-24.23 -20.9,-24.08 -20.81,-23.99 -20.81,-21.723 -25.07,-17.464 -25.07,-8.117 -12.633,4.32 -10.377,4.32 -9.304,3.248 -9.223,3.248 U1000.AH21@-9.192,3.217
HDMI_PORT_TX1_P: J2600.4 U1000.AG21 U2601.4 U2601.7 | length 43.7
  L1_Sig w0.091: J2600.4@-20,-28.265 -20,-27.115 -20.203,-26.912 -20.203,-26.904 -20.34,-26.767 -20.34,-25.976 -20.49,-25.826 -20.49,-25.17 -20.4,-25.08 U2601.7@-20.4,-24.93 -20.4,-24.78 -20.49,-24.69 -20.49,-24.47 -20.4,-24.38 U2601.4@-20.4,-24.23 -20.4,-24.08 -20.49,-23.99 -20.49,-21.591 -24.75,-17.331 -24.75,-8.25 -12.5,4 -10.509,4 -9.292,2.782 -8.758,2.782 U1000.AG21@-8.733,2.758
HDMI_PORT_TX2_N: J2600.3 U1000.AH22 U2601.2 U2601.9 | length 42.2
  L1_Sig w0.091: J2600.3@-19.5,-28.265 -19.5,-27.115 -19.297,-26.912 -19.297,-26.904 -19.16,-26.767 -19.16,-26.109 -19.31,-25.959 -19.31,-25.17 -19.4,-25.08 U2601.9@-19.4,-24.93 -19.4,-24.78 -19.31,-24.69 -19.31,-24.47 -19.4,-24.38 U2601.2@-19.4,-24.23 -19.4,-24.08 -19.31,-23.99 -19.31,-22.043 -24.22,-17.133 -24.22,-8.341 -13.731,2.148 -13.729,2.148 -12.998,2.878 -12.302,3.574 -10.468,3.574 -9.889,2.995 U1000.AH22@-9.652,2.758
HDMI_PORT_TX2_P: J2600.1 U1000.AG22 U2601.1 U2601.10 | length 42.1
  L1_Sig w0.091: J2600.1@-18.5,-28.265 -18.5,-27.115 -18.703,-26.912 -18.703,-26.904 -18.84,-26.767 -18.84,-25.976 -18.99,-25.826 -18.99,-25.17 -18.9,-25.08 U2601.10@-18.9,-24.93 -18.9,-24.78 -18.99,-24.69 -18.99,-24.47 -18.9,-24.38 U2601.1@-18.9,-24.23 -18.9,-24.08 -18.99,-23.99 -18.99,-21.91 -23.9,-17 -23.9,-8.474 -13.599,1.828 -13.596,1.828 -12.678,2.746 -12.17,3.254 -10.601,3.254 -10.209,2.862 ; -10.209,2.862 -9.785,2.438 -9.375,2.438 -9.235,2.298 U1000.AG22@-9.192,2.298
HDMI_PORT_TXCLK_N: J2600.12 U1000.AG19 U2602.5 U2602.6 | length 48.4
  L1_Sig w0.091: J2600.12@-24,-28.265 -24,-27.115 -23.797,-26.912 -23.797,-26.904 -23.66,-26.767 -23.66,-26.094 -23.81,-25.944 -23.81,-25.14 -23.9,-25.05 U2602.6@-23.9,-24.9 -23.9,-24.75 -23.81,-24.66 -23.81,-24.44 -23.9,-24.35 U2602.5@-23.9,-24.2 -23.9,-24.05 -23.81,-23.96 -23.81,-21.343 -27,-18.153 -27,-7.721 -13.254,6.025 -9.666,6.025 -7.838,4.197 -7.838,3.702 U1000.AG19@-7.814,3.677